# Altium PCB fpga.PcbDoc (part 4 of 11)
Units mm, origin at the board's own origin, x right, y up, seen from the top; angles counter-clockwise.
Board outline 210 x 210 mm, 2 copper layers (Top Layer, Bottom Layer), stack 1.591 mm thick; 639 components, 1839 nets, 4759 pads, 4016 vias.
Unrouted connection lines stored in the file: 10.
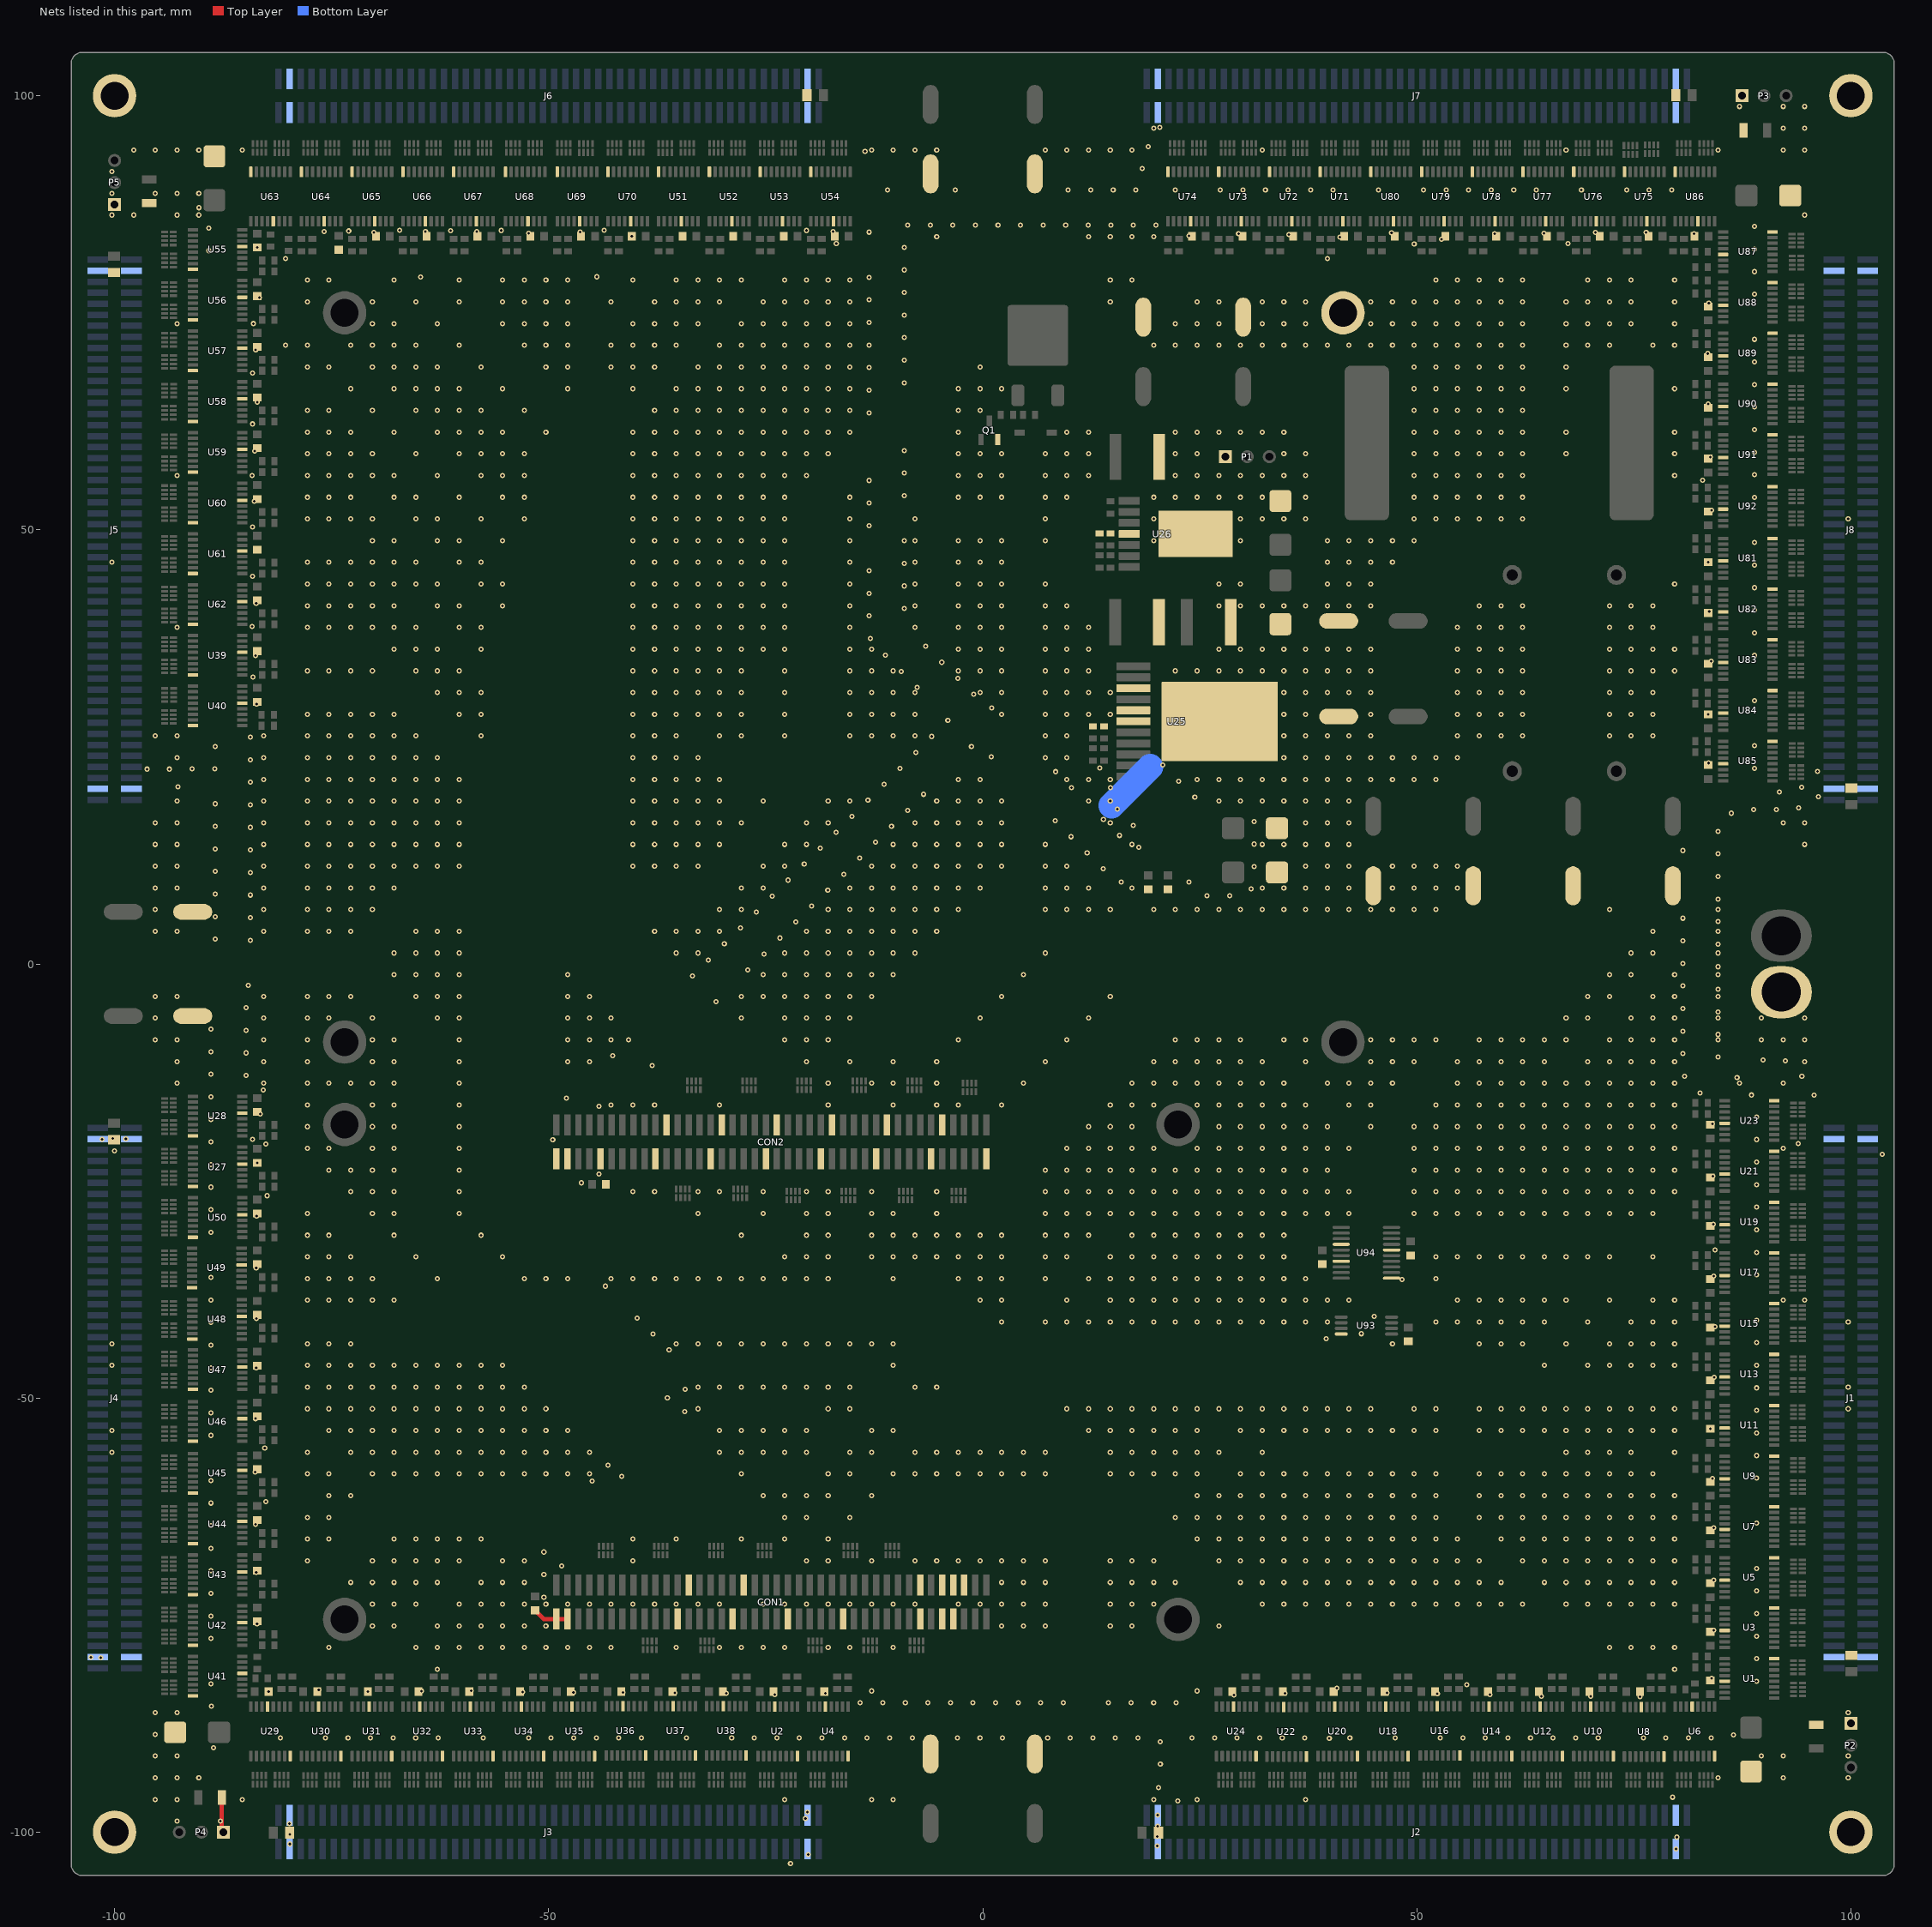
[diagram p4: the nets of this part, all layers, seen from the top]

## Via types
v1: diameter 0.6, hole 0.3, Top Layer to Bottom Layer, tented both sides, 3924 vias
v2: diameter 0.8, hole 0.4, Top Layer to Bottom Layer, tented both sides, 89 vias
v3: diameter 0.6, hole 0.3, Top Layer to Bottom Layer, 3 vias

## Nets (pads, with @x,y where several pads share a name; then routed paths per layer and width w, separated by ;. In a path a pad name is that pad's centre, name@x,y a point inside that pad or via, vN(x,y) a via of type N, cw(c..) or ccw(c..) an arc to the next point about the centre after c; other vN are vias at no path point) (continued)
GND: C1.1 C2.1 C3.1 C4.1 C5.1 C6.1 C7.1 C8.1 C9.1 C10.1 C11.1 C12.1 C13.1 C14.1 C15.1 C16.1 C17.1 C18.1 C19.1 C20.1 C21.1 C22.1 C23.1 C24.1 C25.1 C26.1 C27.1 C28.1 C29.1 C30.1 C31.1 C32.1 C33.1 C34.1 C35.1 C36.1 C37.1 C38.1 C39.1 C40.1 C41.1 C42.1 C43.1 C44.1 C45.1 C46.1 C47.1 C48.1 C49.1 C50.1 C51.1 C52.1 C53.1 C54.1 C55.1 C56.1 C57.1 C58.1 C59.1 C60.1 C61.1 C62.1 C63.1 C64.1 C65.1 C66.1 C67.1 C68.1 C69.1 C70.1 C71.1 C72.1 C73.1 C74.1 C75.1 C76.1 C77.1 C78.1 C79.1 C80.1 C81.1 C82.1 C83.1 C84.1 C85.1 C86.1 C87.1 C88.1 C89.1 C90.1 C91.1 C92.1 C93.1 C94.1 C95.1 C96.1 C97.1 C98.1 C99.1 C100.1 C101.1 C102.1 C103.1 C104.1 C105.1 C106.1 C107.1 C108.1 C109.1 C110.1 C111.1 C112.1 C113.1 C114.1 C115.1 C116.1 C117.1 C118.1 C119.1 C120.1 C122.1 C125.1 C126.1 C129.1 C131.2 C132.1 C133.1 C134.1 C135.1 C137.2 C138.2 C139.2 CON1.2 CON1.4 CON1.24 CON1.25 CON1.34 CON1.35 CON1.44 CON1.54 CON1.67 CON1.68 CON2.2 CON2.4 CON2.10 CON2.20 CON2.21 CON2.30 CON2.31 CON2.40 CON2.41 CON2.50 CON2.51 CON2.60 CON2.61 CON2.70 CON2.71 CON2.80 J1.3 J1.4 J1.97 J1.98 J2.3 J2.4 J2.97 J2.98 J3.3 J3.4 J3.97 J3.98 J4.3 J4.4 J4.97 J4.98 J5.3 J5.4 J5.97 J5.98 J6.3 J6.4 J6.97 J6.98 J7.3 J7.4 J7.97 J7.98 J8.3 J8.4 J8.97 J8.98 P1.1 P2.1 P3.1 P4.1 P5.1 pad.4 pad.7 pad.11 Q1.2 R366.1 R370.1 U1.8 U1.13 U2.8 U2.13 U3.8 U3.13 U4.8 U4.13 U5.8 U5.13 U6.8 U6.13 U7.8 U7.13 U8.8 U8.13 U9.8 U9.13 U10.8 U10.13 U11.8 U11.13 U12.8 U12.13 U13.8 U13.13 U14.8 U14.13 U15.8 U15.13 U16.8 U16.13 U17.8 U17.13 U18.8 U18.13 U19.8 U19.13 U20.8 U20.13 U21.8 U21.13 U22.8 U22.13 U23.8 U23.13 U24.8 U24.13 U25.3 U25.5 U25.6 U25.12 U26.4 U26.8 U27.8 U27.13 U28.8 U28.13 U29.8 U29.13 U30.8 U30.13 U31.8 U31.13 U32.8 U32.13 U33.8 U33.13 U34.8 U34.13 U35.8 U35.13 U36.8 U36.13 U37.8 U37.13 U38.8 U38.13 U39.8 U39.13 U40.8 U40.13 U41.8 U41.13 U42.8 U42.13 U43.8 U43.13 U44.8 U44.13 U45.8 U45.13 U46.8 U46.13 U47.8 U47.13 U48.8 U48.13 U49.8 U49.13 U50.8 U50.13 U51.8 U51.13 U52.8 U52.13 U53.8 U53.13 U54.8 U54.13 U55.8 U55.13 U56.8 U56.13 U57.8 U57.13 U58.8 U58.13 U59.8 U59.13 U60.8 U60.13 U61.8 U61.13 U62.8 U62.13 U63.8 U63.13 U64.8 U64.13 U65.8 U65.13 U66.8 U66.13 U67.8 U67.13 U68.8 U68.13 U69.8 U69.13 U70.8 U70.13 U71.8 U71.13 U72.8 U72.13 U73.8 U73.13 U74.8 U74.13 U75.8 U75.13 U76.8 U76.13 U77.8 U77.13 U78.8 U78.13 U79.8 U79.13 U80.8 U80.13 U81.8 U81.13 U82.8 U82.13 U83.8 U83.13 U84.8 U84.13 U85.8 U85.13 U86.8 U86.13 U87.8 U87.13 U88.8 U88.13 U89.8 U89.13 U90.8 U90.13 U91.8 U91.13 U92.8 U92.13 U93.4 U94.4 U94.7 U94.11 U94.16 | length 14.5
  Top Layer w0.5: C138.2@-87.65,-96 -87.65,-99.81 P4.1@-87.46,-100 ; C83.1@-51.562,-74.46 -50.572,-75.45 CON1.2@-49.115,-75.45 CON1.4@-47.845,-75.45
  Bottom Layer w3: 14.834,18.263 19.279,22.708
  other v1: -22.149,-103.632 -20.117,-102.565 79.845,-101.95 20.117,-101.6 -79.807,-101.371 79.959,-100.584 20.091,-100.508 -79.807,-100.254 20.142,-99.339 -79.858,-99.035 -92.806,-98.742 -87.806,-98.742 -20.422,-98.45 20.155,-98.05 -20.193,-97.688 22.454,-96.395 -95.306,-96.242 -92.806,-96.242 -85.306,-96.242 -22.806,-96.242 -12.806,-96.242 -10.306,-96.242 19.694,-96.242 24.694,-96.242 37.194,-96.242 79.477,-95.987 20.269,-94.869 -95.306,-93.742 -92.806,-93.742 -90.306,-93.742 84.694,-93.742 92.194,-93.742 99.694,-93.742 20.469,-92.183 -95.306,-91.242 -92.806,-91.242 89.694,-91.242 92.194,-91.242 99.694,-91.242 -88.594,-90.267 20.443,-89.583 39.929,-89.179 -80.918,-89.139 -75.718,-89.139 -73.118,-89.139 -70.518,-89.139 -67.918,-89.139 -65.318,-89.139 -62.718,-89.139 -57.518,-89.139 -52.318,-89.139 -49.718,-89.139 -47.118,-89.139 -44.518,-89.139 -41.918,-89.139 -39.318,-89.139 -34.118,-89.139 -28.918,-89.139 -26.318,-89.139 -23.718,-89.139 -21.118,-89.139 -18.518,-89.139 -15.918,-89.139 -13.318,-89.139 -10.718,-89.139 -8.118,-89.139 -2.918,-89.139 -0.318,-89.139 2.282,-89.139 7.482,-89.139 10.082,-89.139 12.682,-89.139 15.282,-89.139 17.882,-89.139 24.099,-89.139 26.699,-89.139 29.299,-89.139 31.899,-89.139 34.499,-89.139 37.099,-89.139 42.299,-89.139 47.499,-89.139 52.699,-89.139 55.299,-89.139 57.899,-89.139 60.499,-89.139 63.099,-89.139 65.699,-89.139 68.299,-89.139 70.899,-89.139 76.099,-89.139 78.699,-89.139 81.299,-89.139 83.899,-89.139 86.475,-88.785 -95.306,-88.742 -95.306,-86.242 -92.806,-86.242 99.694,-86.242 -88.872,-85.506 -14.116,-85.105 -11.516,-85.105 -8.916,-85.105 -6.316,-85.105 -3.716,-85.105 -1.116,-85.105 1.484,-85.105 4.084,-85.105 6.684,-85.105 9.284,-85.105 14.484,-85.105 17.084,-85.105 19.684,-85.105 22.284,-85.105 75.717,-84.404 64.338,-84.353 70.028,-84.353 28.931,-84.226 -23.952,-84.15 58.42,-84.15 52.375,-84.049 -18.136,-84.023 34.798,-84.023 -29.515,-83.998 46.558,-83.972 -35.458,-83.947 -41.427,-83.922 -47.142,-83.896 -52.984,-83.845 -82.258,-83.82 -70.828,-83.82 -64.668,-83.744 -12.806,-83.742 24.694,-83.742 -58.928,-83.718 -76.479,-83.617 40.792,-83.414 55.763,-83.005 -88.885,-82.906 89.139,-82.624 83.972,-82.271 -62.806,-81.242 79.694,-81.242 89.139,-80.024 -101.575,-79.908 -102.743,-79.858 -75.306,-78.742 -65.306,-78.742 -62.806,-78.742 -60.306,-78.742 -57.806,-78.742 -55.306,-78.742 -52.806,-78.742 -50.306,-78.742 -47.806,-78.742 -45.306,-78.742 -42.806,-78.742 -35.306,-78.742 -30.306,-78.742 -27.806,-78.742 -25.306,-78.742 -22.806,-78.742 -17.806,-78.742 -15.306,-78.742 -10.306,-78.742 72.194,-78.742 74.694,-78.742 77.194,-78.742 79.694,-78.742 -88.885,-77.706 89.139,-77.424 84.226,-76.759 -70.306,-76.242 -67.806,-76.242 -62.806,-76.242 -60.306,-76.242 -57.806,-76.242 -55.306,-76.242 -52.806,-76.242 -50.306,-76.242 2.194,-76.242 4.694,-76.242 7.194,-76.242 14.694,-76.242 17.194,-76.242 27.194,-76.242 -83.591,-76.022 -88.885,-75.106 89.139,-74.824 -70.306,-73.742 -67.806,-73.742 -65.306,-73.742 -60.306,-73.742 -57.806,-73.742 -55.306,-73.742 -52.806,-73.742 -50.306,-73.742 -47.806,-73.742 -45.306,-73.742 -42.806,-73.742 -40.306,-73.742 -37.806,-73.742 -35.306,-73.742 -32.806,-73.742 -30.306,-73.742 -25.306,-73.742 -22.806,-73.742 -20.306,-73.742 -17.806,-73.742 -15.306,-73.742 -12.806,-73.742 -10.306,-73.742 -7.806,-73.742 -2.806,-73.742 -0.306,-73.742 2.194,-73.742 4.694,-73.742 7.194,-73.742 14.694,-73.742 17.194,-73.742 19.694,-73.742 32.194,-73.742 34.694,-73.742 37.194,-73.742 39.694,-73.742 42.194,-73.742 44.694,-73.742 47.194,-73.742 49.694,-73.742 52.194,-73.742 54.694,-73.742 57.194,-73.742 59.694,-73.742 62.194,-73.742 67.194,-73.742 69.694,-73.742 72.194,-73.742 74.694,-73.742 77.194,-73.742 79.694,-73.742 -50.552,-72.938 -88.885,-72.506 89.139,-72.224 -72.806,-71.242 -70.306,-71.242 -67.806,-71.242 -65.306,-71.242 -62.806,-71.242 -57.806,-71.242 -55.306,-71.242 -52.806,-71.242 2.194,-71.242 4.694,-71.242 7.194,-71.242 14.694,-71.242 17.194,-71.242 19.694,-71.242 22.194,-71.242 29.694,-71.242 32.194,-71.242 34.694,-71.242 37.194,-71.242 39.694,-71.242 42.194,-71.242 44.694,-71.242 47.194,-71.242 49.694,-71.242 52.194,-71.242 54.694,-71.242 57.194,-71.242 59.694,-71.242 64.694,-71.242 67.194,-71.242 69.694,-71.242 72.194,-71.242 74.694,-71.242 77.194,-71.242 79.694,-71.242 84.201,-70.968 -50.55,-70.338 -83.693,-70.079 -88.885,-69.906 89.139,-69.624 -48.51,-69.325 -77.806,-68.742 -70.306,-68.742 -67.806,-68.742 -65.306,-68.742 -62.806,-68.742 -60.306,-68.742 -55.306,-68.742 -52.806,-68.742 -40.306,-68.742 -20.306,-68.742 -17.806,-68.742 -12.806,-68.742 -7.806,-68.742 -5.306,-68.742 -2.806,-68.742 -0.306,-68.742 2.194,-68.742 4.694,-68.742 7.194,-68.742 14.694,-68.742 17.194,-68.742 19.694,-68.742 27.194,-68.742 29.694,-68.742 32.194,-68.742 34.694,-68.742 37.194,-68.742 39.694,-68.742 42.194,-68.742 44.694,-68.742 47.194,-68.742 49.694,-68.742 52.194,-68.742 54.694,-68.742 57.194,-68.742 62.194,-68.742 64.694,-68.742 67.194,-68.742 69.694,-68.742 72.194,-68.742 74.694,-68.742 77.194,-68.742 79.694,-68.742 -50.55,-67.738 -88.885,-67.306 -77.806,-66.242 -75.306,-66.242 -67.806,-66.242 -65.306,-66.242 -62.806,-66.242 -60.306,-66.242 -57.806,-66.242 -40.306,-66.242 -35.306,-66.242 -27.806,-66.242 -22.806,-66.242 -17.806,-66.242 24.694,-66.242 27.194,-66.242 29.694,-66.242 32.194,-66.242 34.694,-66.242 37.194,-66.242 39.694,-66.242 42.194,-66.242 44.694,-66.242 47.194,-66.242 49.694,-66.242 52.194,-66.242 54.694,-66.242 59.694,-66.242 62.194,-66.242 64.694,-66.242 67.194,-66.242 69.694,-66.242 72.194,-66.242 74.694,-66.242 77.194,-66.242 79.694,-66.242 84.226,-64.948 -88.885,-64.706 -83.769,-64.541 89.139,-64.424 -77.806,-63.742 -75.306,-63.742 -22.806,-63.742 -20.306,-63.742 -15.306,-63.742 22.194,-63.742 24.694,-63.742 27.194,-63.742 29.694,-63.742 32.194,-63.742 34.694,-63.742 37.194,-63.742 39.694,-63.742 42.194,-63.742 44.694,-63.742 47.194,-63.742 49.694,-63.742 52.194,-63.742 57.194,-63.742 59.694,-63.742 62.194,-63.742 64.694,-63.742 67.194,-63.742 69.694,-63.742 72.194,-63.742 74.694,-63.742 77.194,-63.742 79.694,-63.742 -88.885,-62.106 -82.575,-61.951 -75.306,-61.242 -72.806,-61.242 -25.306,-61.242 -22.806,-61.242 -20.306,-61.242 -17.806,-61.242 -12.806,-61.242 24.694,-61.242 27.194,-61.242 29.694,-61.242 32.194,-61.242 34.694,-61.242 37.194,-61.242 39.694,-61.242 42.194,-61.242 44.694,-61.242 47.194,-61.242 49.694,-61.242 52.194,-61.242 57.194,-61.242 59.694,-61.242 62.194,-61.242 64.694,-61.242 67.194,-61.242 69.694,-61.242 72.194,-61.242 74.694,-61.242 77.194,-61.242 79.694,-61.242 -45.006,-59.566 -88.885,-59.506 84.074,-59.284 89.139,-59.224 -41.582,-59.026 -77.806,-58.742 -75.306,-58.742 -70.306,-58.742 -67.806,-58.742 -65.306,-58.742 -62.806,-58.742 -60.306,-58.742 -57.806,-58.742 -55.306,-58.742 -52.806,-58.742 -50.306,-58.742 -47.806,-58.742 -45.306,-58.742 -27.806,-58.742 -17.806,-58.742 -15.306,-58.742 -10.306,-58.742 -7.806,-58.742 -5.306,-58.742 -2.806,-58.742 -0.306,-58.742 2.194,-58.742 4.694,-58.742 7.194,-58.742 14.694,-58.742 17.194,-58.742 19.694,-58.742 22.194,-58.742 24.694,-58.742 29.694,-58.742 32.194,-58.742 34.694,-58.742 37.194,-58.742 39.694,-58.742 42.194,-58.742 44.694,-58.742 47.194,-58.742 49.694,-58.742 52.194,-58.742 57.194,-58.742 59.694,-58.742 62.194,-58.742 64.694,-58.742 67.194,-58.742 69.694,-58.742 72.194,-58.742 74.694,-58.742 77.194,-58.742 -83.795,-58.547 -43.167,-57.727 89.139,-56.624 -100.306,-56.242 -77.806,-56.242 -72.806,-56.242 -70.306,-56.242 -67.806,-56.242 -65.306,-56.242 -62.806,-56.242 -60.306,-56.242 -57.806,-56.242 -55.306,-56.242 -52.806,-56.242 -50.306,-56.242 -47.806,-56.242 -45.306,-56.242 -30.306,-56.242 -27.806,-56.242 -25.306,-56.242 -22.806,-56.242 -20.306,-56.242 -15.306,-56.242 -12.806,-56.242 -7.806,-56.242 -5.306,-56.242 -2.806,-56.242 -0.306,-56.242 2.194,-56.242 4.694,-56.242 7.194,-56.242 14.694,-56.242 17.194,-56.242 19.694,-56.242 22.194,-56.242 24.694,-56.242 27.194,-56.242 32.194,-56.242 67.194,-56.242 69.694,-56.242 72.194,-56.242 74.694,-56.242 79.694,-56.242 -82.702,-55.778 -88.885,-54.306 89.139,-54.024 -100.306,-53.742 -75.306,-53.742 -72.806,-53.742 -70.306,-53.742 -67.806,-53.742 -65.306,-53.742 -62.806,-53.742 -60.306,-53.742 -57.806,-53.742 -55.306,-53.742 -52.806,-53.742 -50.306,-53.742 -47.806,-53.742 -30.306,-53.742 -27.806,-53.742 -25.306,-53.742 -22.806,-53.742 -20.306,-53.742 -12.806,-53.742 -10.306,-53.742 12.194,-53.742 14.694,-53.742 17.194,-53.742 19.694,-53.742 22.194,-53.742 24.694,-53.742 29.694,-53.742 32.194,-53.742 34.694,-53.742 37.194,-53.742 39.694,-53.742 42.194,-53.742 44.694,-53.742 47.194,-53.742 49.694,-53.742 52.194,-53.742 57.194,-53.742 59.694,-53.742 62.194,-53.742 64.694,-53.742 67.194,-53.742 69.694,-53.742 72.194,-53.742 74.694,-53.742 77.194,-53.742 79.694,-53.742 83.82,-53.556 -83.769,-52.375 -88.885,-51.706 -34.33,-51.576 89.139,-51.424 -77.806,-51.242 -75.306,-51.242 -72.806,-51.242 -70.306,-51.242 -67.806,-51.242 -65.306,-51.242 -62.806,-51.242 -60.306,-51.242 -57.806,-51.242 -55.306,-51.242 -52.806,-51.242 -50.306,-51.242 -32.806,-51.242 -17.806,-51.242 -15.306,-51.242 9.694,-51.242 12.194,-51.242 14.694,-51.242 17.194,-51.242 19.694,-51.242 22.194,-51.242 24.694,-51.242 27.194,-51.242 29.694,-51.242 32.194,-51.242 34.694,-51.242 37.194,-51.242 39.694,-51.242 42.194,-51.242 44.694,-51.242 49.694,-51.242 52.194,-51.242 57.194,-51.242 59.694,-51.242 62.194,-51.242 64.694,-51.242 67.194,-51.242 69.694,-51.242 72.194,-51.242 74.694,-51.242 77.194,-51.242 79.694,-51.242 99.694,-51.242 -36.326,-49.976 -88.885,-49.106 -34.286,-48.977 89.139,-48.824 -77.806,-48.742 -75.306,-48.742 -72.806,-48.742 -70.306,-48.742 -67.806,-48.742 -65.306,-48.742 -62.806,-48.742 -60.306,-48.742 -57.806,-48.742 -55.306,-48.742 -52.806,-48.742 -32.806,-48.742 -30.306,-48.742 -27.806,-48.742 -25.306,-48.742 -22.806,-48.742 -20.306,-48.742 -17.806,-48.742 -15.306,-48.742 -7.806,-48.742 -5.306,-48.742 99.694,-48.742 84.277,-47.6 -83.693,-46.533 -88.885,-46.506 -100.306,-46.242 -77.806,-46.242 -75.306,-46.242 -72.806,-46.242 -70.306,-46.242 -67.806,-46.242 -65.306,-46.242 -62.806,-46.242 -60.306,-46.242 -57.806,-46.242 -55.306,-46.242 -10.306,-46.242 64.694,-46.242 69.694,-46.242 72.194,-46.242 74.694,-46.242 77.194,-46.242 79.694,-46.242 89.139,-46.224 -36.129,-44.471 -88.885,-43.906 -100.306,-43.742 -77.806,-43.742 -75.306,-43.742 -72.806,-43.742 -35.306,-43.742 -32.806,-43.742 -30.306,-43.742 -27.806,-43.742 -25.306,-43.742 -22.806,-43.742 -20.306,-43.742 -17.806,-43.742 -15.306,-43.742 -12.806,-43.742 -10.306,-43.742 47.194,-43.742 57.194,-43.742 59.694,-43.742 62.194,-43.742 67.194,-43.742 72.194,-43.742 74.694,-43.742 77.194,-43.742 79.694,-43.742 89.139,-43.624 39.573,-43.18 -37.967,-42.633 43.612,-42.596 84.353,-41.783 -88.885,-41.306 2.194,-41.242 7.194,-41.242 9.694,-41.242 12.194,-41.242 14.694,-41.242 17.194,-41.242 19.694,-41.242 22.194,-41.242 24.694,-41.242 27.194,-41.242 29.694,-41.242 32.194,-41.242 34.694,-41.242 37.194,-41.242 39.694,-41.242 52.194,-41.242 54.694,-41.242 57.194,-41.242 59.694,-41.242 62.194,-41.242 64.694,-41.242 69.694,-41.242 74.694,-41.242 77.194,-41.242 79.694,-41.242 99.694,-41.242 89.139,-41.024 -83.668,-40.843 -39.806,-40.794 45.11,-40.615 -77.806,-38.742 -75.306,-38.742 -72.806,-38.742 -70.306,-38.742 -67.806,-38.742 -0.306,-38.742 2.194,-38.742 9.694,-38.742 14.694,-38.742 17.194,-38.742 19.694,-38.742 22.194,-38.742 24.694,-38.742 27.194,-38.742 29.694,-38.742 32.194,-38.742 34.694,-38.742 37.194,-38.742 39.694,-38.742 42.194,-38.742 54.694,-38.742 57.194,-38.742 59.694,-38.742 62.194,-38.742 64.694,-38.742 67.194,-38.742 72.194,-38.742 77.194,-38.742 79.694,-38.742 92.194,-38.742 94.694,-38.742 -88.885,-38.706 -43.483,-37.117 48.311,-36.347 48.311,-36.347 -77.806,-36.242 -75.306,-36.242 -72.806,-36.242 -70.306,-36.242 -62.806,-36.242 -52.806,-36.242 -50.306,-36.242 -47.806,-36.242 -42.806,-36.242 -40.306,-36.242 -37.806,-36.242 -35.306,-36.242 -32.806,-36.242 -30.306,-36.242 -27.806,-36.242 -25.306,-36.242 -22.806,-36.242 -20.306,-36.242 -17.806,-36.242 -10.306,-36.242 -2.806,-36.242 -0.306,-36.242 2.194,-36.242 7.194,-36.242 12.194,-36.242 14.694,-36.242 17.194,-36.242 19.694,-36.242 22.194,-36.242 24.694,-36.242 27.194,-36.242 29.694,-36.242 32.194,-36.242 34.694,-36.242 37.194,-36.242 52.194,-36.242 -88.885,-36.106 84.201,-35.941 89.139,-35.824 -83.693,-35.001 -77.806,-33.742 -75.306,-33.742 -72.806,-33.742 -65.306,-33.742 -55.306,-33.742 -22.806,-33.742 -20.306,-33.742 -17.806,-33.742 -12.806,-33.742 -10.306,-33.742 -7.806,-33.742 -5.306,-33.742 -2.806,-33.742 -0.306,-33.742 2.194,-33.742 7.194,-33.742 9.694,-33.742 14.694,-33.742 17.194,-33.742 19.694,-33.742 22.194,-33.742 24.694,-33.742 27.194,-33.742 29.694,-33.742 32.194,-33.742 34.694,-33.742 52.194,-33.742 54.694,-33.742 57.194,-33.742 59.694,-33.742 62.194,-33.742 64.694,-33.742 67.194,-33.742 69.694,-33.742 72.194,-33.742 77.194,-33.742 89.139,-33.224 84.353,-32.944 -77.806,-31.242 -75.306,-31.242 -67.806,-31.242 -57.806,-31.242 -27.806,-31.242 -20.306,-31.242 -17.806,-31.242 -12.806,-31.242 -10.306,-31.242 -7.806,-31.242 -5.306,-31.242 -2.806,-31.242 -0.306,-31.242 2.194,-31.242 7.194,-31.242 9.694,-31.242 12.194,-31.242 17.194,-31.242 19.694,-31.242 22.194,-31.242 24.694,-31.242 27.194,-31.242 29.694,-31.242 32.194,-31.242 34.694,-31.242 -88.885,-30.906 89.139,-30.624 84.176,-29.997 -83.642,-29.032 -77.806,-28.742 -70.306,-28.742 -67.806,-28.742 -60.306,-28.742 -32.806,-28.742 -25.306,-28.742 -20.306,-28.742 -17.806,-28.742 -12.806,-28.742 -10.306,-28.742 -5.306,-28.742 7.194,-28.742 9.694,-28.742 12.194,-28.742 14.694,-28.742 17.194,-28.742 19.694,-28.742 22.194,-28.742 24.694,-28.742 27.194,-28.742 29.694,-28.742 32.194,-28.742 34.694,-28.742 37.194,-28.742 39.694,-28.742 42.194,-28.742 49.694,-28.742 52.194,-28.742 54.694,-28.742 57.194,-28.742 59.694,-28.742 62.194,-28.742 64.694,-28.742 67.194,-28.742 69.694,-28.742 72.194,-28.742 74.694,-28.742 77.194,-28.742 -88.885,-28.306 89.139,-28.024 -82.423,-26.695 -72.806,-26.242 -70.306,-26.242 -67.806,-26.242 -60.306,-26.242 -40.306,-26.242 -37.806,-26.242 -32.806,-26.242 -30.306,-26.242 -25.306,-26.242 -20.306,-26.242 -17.806,-26.242 -12.806,-26.242 -5.306,-26.242 7.194,-26.242 9.694,-26.242 12.194,-26.242 14.694,-26.242 17.194,-26.242 19.694,-26.242 22.194,-26.242 24.694,-26.242 27.194,-26.242 29.694,-26.242 32.194,-26.242 34.694,-26.242 37.194,-26.242 39.694,-26.242 42.194,-26.242 49.694,-26.242 52.194,-26.242 54.694,-26.242 57.194,-26.242 59.694,-26.242 62.194,-26.242 64.694,-26.242 67.194,-26.242 69.694,-26.242 72.194,-26.242 74.694,-26.242 77.194,-26.242 79.694,-26.242 -88.885,-25.706 89.139,-25.424 -46.232,-25.212 84.125,-24.435 -44.192,-24.216 -75.306,-23.742 -72.806,-23.742 -70.306,-23.742 -67.806,-23.742 -60.306,-23.742 7.194,-23.742 9.694,-23.742 12.194,-23.742 14.694,-23.742 17.194,-23.742 19.694,-23.742 22.194,-23.742 24.694,-23.742 27.194,-23.742 29.694,-23.742 32.194,-23.742 34.694,-23.742 37.194,-23.742 39.694,-23.742 49.694,-23.742 52.194,-23.742 54.694,-23.742 57.194,-23.742 59.694,-23.742 62.194,-23.742 64.694,-23.742 67.194,-23.742 69.694,-23.742 72.194,-23.742 74.694,-23.742 77.194,-23.742 79.694,-23.742 -88.885,-23.106 -83.566,-22.898 89.139,-22.824 103.634,-21.926 -100,-21.514 -77.806,-21.242 -75.306,-21.242 -70.306,-21.242 -67.806,-21.242 -60.306,-21.242 9.694,-21.242 12.194,-21.242 14.694,-21.242 17.194,-21.242 19.694,-21.242 24.694,-21.242 27.194,-21.242 29.694,-21.242 32.194,-21.242 34.694,-21.242 37.194,-21.242 39.694,-21.242 42.194,-21.242 49.694,-21.242 52.194,-21.242 54.694,-21.242 57.194,-21.242 59.694,-21.242 62.194,-21.242 64.694,-21.242 67.194,-21.242 69.694,-21.242 72.194,-21.242 74.694,-21.242 77.194,-21.242 79.694,-21.242 92.194,-21.242 -82.576,-20.747 93.926,-20.713 -88.885,-20.506 -49.516,-20.254 -84.125,-20.218 89.139,-20.224 -101.448,-20.193 -98.704,-20.142 -100.203,-20.091 -77.806,-18.742 -70.306,-18.742 -67.806,-18.742 -60.306,-18.742 12.194,-18.742 14.694,-18.742 17.194,-18.742 27.194,-18.742 29.694,-18.742 32.194,-18.742 34.694,-18.742 37.194,-18.742 39.694,-18.742 44.694,-18.742 49.694,-18.742 52.194,-18.742 54.694,-18.742 57.194,-18.742 59.694,-18.742 62.194,-18.742 64.694,-18.742 67.194,-18.742 69.694,-18.742 72.194,-18.742 74.694,-18.742 77.194,-18.742 79.694,-18.742 84.074,-18.44 -88.885,-17.906 89.139,-17.624 -83.236,-17.297 -44.192,-16.416 -77.806,-16.242 -70.306,-16.242 -67.806,-16.242 -60.306,-16.242 -42.806,-16.242 -40.306,-16.242 -37.806,-16.242 -30.306,-16.242 -17.806,-16.242 -10.306,-16.242 -5.306,-16.242 -2.806,-16.242 2.194,-16.242 14.694,-16.242 17.194,-16.242 19.694,-16.242 24.694,-16.242 27.194,-16.242 29.694,-16.242 32.194,-16.242 34.694,-16.242 37.194,-16.242 42.194,-16.242 44.694,-16.242 52.194,-16.242 54.694,-16.242 57.194,-16.242 59.694,-16.242 62.194,-16.242 64.694,-16.242 67.194,-16.242 69.694,-16.242 72.194,-16.242 74.694,-16.242 77.194,-16.242 79.694,-16.242 -47.97,-15.479 -88.885,-15.306 95.762,-15.124 88.553,-15.091 82.612,-14.852 -82.873,-14.535 -92.806,-13.742 -82.806,-13.742 -77.806,-13.742 -75.306,-13.742 -72.806,-13.742 -70.306,-13.742 -67.806,-13.742 -60.306,-13.742 -17.806,-13.742 -12.806,-13.742 -10.306,-13.742 -5.306,-13.742 4.694,-13.742 17.194,-13.742 19.694,-13.742 22.194,-13.742 24.694,-13.742 27.194,-13.742 29.694,-13.742 32.194,-13.742 34.694,-13.742 39.694,-13.742 42.194,-13.742 44.694,-13.742 47.194,-13.742 54.694,-13.742 57.194,-13.742 59.694,-13.742 62.194,-13.742 64.694,-13.742 67.194,-13.742 69.694,-13.742 72.194,-13.742 74.694,-13.742 77.194,-13.742 79.694,-13.742 87.194,-13.742 92.194,-13.742 86.9,-13.085 80.861,-12.93 94.361,-12.934 -84.851,-12.847 -88.885,-12.706 -38.076,-11.718 -92.806,-11.242 -82.806,-11.242 -77.806,-11.242 -70.306,-11.242 -67.806,-11.242 -60.306,-11.242 -47.806,-11.242 -45.306,-11.242 -20.306,-11.242 -15.306,-11.242 -10.306,-11.242 -5.306,-11.242 7.194,-11.242 19.694,-11.242 22.194,-11.242 24.694,-11.242 27.194,-11.242 29.694,-11.242 32.194,-11.242 37.194,-11.242 44.694,-11.242 47.194,-11.242 49.694,-11.242 54.694,-11.242 57.194,-11.242 59.694,-11.242 62.194,-11.242 64.694,-11.242 69.694,-11.242 72.194,-11.242 74.694,-11.242 77.194,-11.242 79.694,-11.242 94.694,-11.242 92.472,-11.147 89.874,-11.045 84.694,-10.723 -42.63,-10.568 80.66,-10.338 -84.851,-10.247 -88.885,-10.106 -95.306,-8.742 -92.806,-8.742 -82.806,-8.742 -77.806,-8.742 -70.306,-8.742 -67.806,-8.742 -60.306,-8.742 -47.806,-8.742 -45.306,-8.742 -42.806,-8.742 -40.792,-8.729 -22.806,-8.742 -20.306,-8.742 -17.806,-8.742 -2.806,-8.742 9.694,-8.742 22.194,-8.742 24.694,-8.742 27.194,-8.742 29.694,-8.742 34.694,-8.742 37.194,-8.742 44.694,-8.742 47.194,-8.742 49.694,-8.742 52.194,-8.742 57.194,-8.742 59.694,-8.742 62.194,-8.742 64.694,-8.742 67.194,-8.742 72.194,-8.742 74.694,-8.742 77.194,-8.742 79.694,-8.742 84.694,-8.742 89.694,-8.742 92.194,-8.742 94.694,-8.742 84.694,-8.123 80.66,-7.738 -84.851,-7.647 -88.885,-7.506 -95.306,-6.242 -82.806,-6.242 -77.806,-6.242 -75.306,-6.242 -70.306,-6.242 -62.806,-6.242 -60.306,-6.242 -47.806,-6.242 -45.306,-6.242 -42.806,-6.242 -27.806,-6.242 -22.806,-6.242 -20.306,-6.242 -17.806,-6.242 -15.306,-6.242 -0.306,-6.242 12.194,-6.242 67.194,-6.242 69.694,-6.242 74.694,-6.242 77.194,-6.242 79.694,-6.242 84.694,-6.242 89.694,-6.242 94.694,-6.242 84.694,-5.523 80.66,-5.138 -84.851,-5.047 -30.722,-4.365 -95.306,-3.742 -92.806,-3.742 -82.806,-3.742 -77.806,-3.742 -75.306,-3.742 -72.806,-3.742 -65.306,-3.742 -62.806,-3.742 -60.306,-3.742 -47.806,-3.742 -45.306,-3.742 -27.806,-3.742 -25.306,-3.742 -22.806,-3.742 -20.306,-3.742 -17.806,-3.742 -15.306,-3.742 -12.806,-3.742 2.194,-3.742 14.694,-3.742 69.694,-3.742 72.194,-3.742 77.194,-3.742 79.694,-3.742 84.694,-3.742 84.694,-2.923 80.66,-2.538 -84.597,-2.459 -33.438,-1.375 -67.806,-1.242 -65.306,-1.242 -62.806,-1.242 -60.306,-1.242 -47.806,-1.242 -25.306,-1.242 -22.806,-1.242 -20.306,-1.242 -17.806,-1.242 -15.306,-1.242 -12.806,-1.242 -10.306,-1.242 4.694,-1.242 72.194,-1.242 74.694,-1.242 79.694,-1.242 84.694,-1.242 -27.045,-0.688 84.694,-0.323 80.66,0.062 -31.599,0.463 -25.207,1.151 -67.806,1.258 -65.306,1.258 -62.806,1.258 -60.306,1.258 -35.306,1.258 -32.806,1.258 -22.806,1.258 -20.306,1.258 -17.806,1.258 -15.306,1.258 -12.806,1.258 -10.306,1.258 -7.806,1.258 7.194,1.258 74.694,1.258 77.194,1.258 84.694,1.258 -29.761,2.302 84.694,2.277 80.66,2.662 -84.361,2.73 -88.395,2.848 -23.368,2.989 -95.306,3.758 -92.806,3.758 -82.806,3.758 -77.806,3.758 -75.306,3.758 -72.806,3.758 -65.306,3.758 -62.806,3.758 -60.306,3.758 -37.806,3.758 -35.306,3.758 -32.806,3.758 -30.306,3.758 -20.306,3.758 -17.806,3.758 -15.306,3.758 -12.806,3.758 -10.306,3.758 -7.806,3.758 -5.306,3.758 77.194,3.758 84.694,3.758 -27.923,4.14 -21.53,4.828 84.694,4.877 80.66,5.262 -84.361,5.33 -88.395,5.448 -26.084,5.978 -95.306,6.258 -82.806,6.258 -77.806,6.258 -75.306,6.258 -72.806,6.258 -70.306,6.258 -30.306,6.258 -27.806,6.258 -17.806,6.258 -15.306,6.258 -12.806,6.258 -10.306,6.258 -7.806,6.258 -5.306,6.258 -2.806,6.258 7.194,6.258 9.694,6.258 12.194,6.258 14.694,6.258 19.694,6.258 22.194,6.258 24.694,6.258 27.194,6.258 29.694,6.258 32.194,6.258 34.694,6.258 37.194,6.258 39.694,6.258 42.194,6.258 44.694,6.258 47.194,6.258 49.694,6.258 52.194,6.258 72.194,6.258 84.694,6.258 -19.691,6.666 84.694,7.477 -24.246,7.817 25.846,7.872 28.446,7.872 -84.361,7.93 -88.395,8.048 -17.853,8.505 30.935,8.624 -95.306,8.758 -92.806,8.758 -82.806,8.758 -77.806,8.758 -75.306,8.758 -72.806,8.758 -70.306,8.758 -67.806,8.758 -27.806,8.758 -25.306,8.758 -15.306,8.758 -12.806,8.758 -10.306,8.758 -7.806,8.758 -5.306,8.758 -2.806,8.758 -0.306,8.758 7.194,8.758 9.694,8.758 12.194,8.758 17.194,8.758 32.194,8.758 34.694,8.758 37.194,8.758 39.694,8.758 42.194,8.758 47.194,8.758 49.694,8.758 52.194,8.758 54.694,8.758 23.751,9.413 15.965,9.439 -22.407,9.655 84.694,10.077 -16.014,10.343 -84.361,10.53 -88.395,10.648 13.863,10.97 31.244,11.205 -95.306,11.258 -92.806,11.258 -82.806,11.258 -77.806,11.258 -75.306,11.258 -72.806,11.258 -70.306,11.258 -67.806,11.258 -65.306,11.258 -62.806,11.258 -60.306,11.258 -40.306,11.258 -37.806,11.258 -35.306,11.258 -32.806,11.258 -25.306,11.258 -22.806,11.258 -12.806,11.258 -10.306,11.258 -7.806,11.258 -5.306,11.258 -2.806,11.258 -0.306,11.258 2.194,11.258 7.194,11.258 9.694,11.258 37.194,11.258 39.694,11.258 42.194,11.258 47.194,11.258 49.694,11.258 52.194,11.258 54.694,11.258 -20.569,11.494 -14.176,12.182 84.694,12.677 12.025,12.809 80.66,13.062 -84.361,13.13 -88.395,13.248 -18.73,13.332 17.966,13.447 -95.306,13.758 -92.806,13.758 -82.806,13.758 -77.806,13.758 -75.306,13.758 -72.806,13.758 -70.306,13.758 -67.806,13.758 -65.306,13.758 -62.806,13.758 -60.306,13.758 -40.306,13.758 -37.806,13.758 -35.306,13.758 -32.806,13.758 -30.306,13.758 -22.806,13.758 -20.306,13.758 -10.306,13.758 -7.806,13.758 -5.306,13.758 -2.806,13.758 -0.306,13.758 2.194,13.758 7.194,13.758 17.194,13.758 32.194,13.758 34.694,13.758 37.194,13.758 39.694,13.758 42.194,13.758 94.694,13.758 31.244,13.805 -12.337,14.02 10.186,14.647 15.743,14.795 -16.892,15.171 84.694,15.277 -84.361,15.73 -88.395,15.848 -10.499,15.859 17.344,15.971 -95.306,16.258 -92.806,16.258 -82.806,16.258 -77.806,16.258 -75.306,16.258 -72.806,16.258 -70.306,16.258 -67.806,16.258 -65.306,16.258 -62.806,16.258 -60.306,16.258 -40.306,16.258 -37.806,16.258 -35.306,16.258 -32.806,16.258 -30.306,16.258 -27.806,16.258 -20.306,16.258 -17.806,16.258 -7.806,16.258 -5.306,16.258 -2.806,16.258 -0.306,16.258 2.194,16.258 14.694,16.258 37.194,16.258 39.694,16.258 42.194,16.258 92.194,16.258 94.694,16.258 31.244,16.405 8.348,16.485 13.905,16.634 -15.053,17.009 86.252,17.359 -8.66,17.697 88.816,17.786 91.416,17.776 15.505,17.81 94.009,17.974 -84.361,18.33 -88.395,18.448 -92.806,18.758 -82.806,18.758 -77.806,18.758 -75.306,18.758 -72.806,18.758 -70.306,18.758 -67.806,18.758 -65.306,18.758 -62.806,18.758 -60.306,18.758 -40.306,18.758 -37.806,18.758 -35.306,18.758 -32.806,18.758 -30.306,18.758 -25.306,18.758 -17.806,18.758 -15.306,18.758 -5.306,18.758 -2.806,18.758 -0.306,18.758 2.194,18.758 12.194,18.758 14.694,18.758 27.194,18.758 29.694,18.758 32.194,18.758 34.694,18.758 37.194,18.758 39.694,18.758 42.194,18.758 -13.215,18.848 24.425,19.222 96.259,19.277 -6.822,19.536 91.778,19.816 14.73,20.292 10.228,20.311 94.323,20.349 -92.691,20.405 -11.376,20.686 -84.361,20.93 22.587,21.06 -82.806,21.258 -77.806,21.258 -75.306,21.258 -72.806,21.258 -70.306,21.258 -67.806,21.258 -65.306,21.258 -62.806,21.258 -60.306,21.258 -40.306,21.258 -37.806,21.258 -35.306,21.258 -32.806,21.258 -30.306,21.258 -2.806,21.258 -0.306,21.258 9.694,21.258 12.194,21.258 14.694,21.258 24.694,21.258 27.194,21.258 29.694,21.258 32.194,21.258 34.694,21.258 37.194,21.258 39.694,21.258 42.194,21.258 44.694,21.258 47.194,21.258 49.694,21.258 52.194,21.258 8.389,22.149 96.163,22.185 -96.278,22.445 -93.678,22.445 -91.078,22.457 -88.478,22.457 -9.538,22.525 88.885,22.539 13.489,22.576 20.748,22.899 83.617,23.139 -84.361,23.53 -92.806,23.758 -82.806,23.758 -77.806,23.758 -75.306,23.758 -72.806,23.758 -70.306,23.758 -67.806,23.758 -65.306,23.758 -62.806,23.758 -40.306,23.758 -37.806,23.758 -35.306,23.758 -32.806,23.758 7.194,23.758 9.694,23.758 34.694,23.758 37.194,23.758 39.694,23.758 42.194,23.758 44.694,23.758 47.194,23.758 49.694,23.758 52.194,23.758 54.694,23.758 0.994,23.839 -7.699,24.363 -88.395,25.056 -1.306,25.051 88.885,25.139 -84.361,26.13 -5.861,26.202 -95.306,26.258 -92.806,26.258 -82.806,26.258 -77.806,26.258 -75.306,26.258 -72.806,26.258 -70.306,26.258 -67.806,26.258 -65.306,26.258 -57.806,26.258 -40.306,26.258 -37.806,26.258 -35.306,26.258 -30.306,26.258 -27.806,26.258 -22.806,26.258 -15.306,26.258 -12.806,26.258 -10.306,26.258 -7.806,26.258 7.194,26.258 9.694,26.258 34.694,26.258 37.194,26.258 39.694,26.258 42.194,26.258 44.694,26.258 54.694,26.258 57.194,26.258 59.694,26.258 62.194,26.258 72.194,26.258 74.694,26.258 77.194,26.258 -4.022,28.04 83.566,28.74 -77.806,28.758 -75.306,28.758 -72.806,28.758 -70.306,28.758 -67.806,28.758 -60.306,28.758 -57.806,28.758 -40.306,28.758 -37.806,28.758 -35.306,28.758 -32.806,28.758 -30.306,28.758 -27.806,28.758 -22.806,28.758 -15.306,28.758 -12.806,28.758 -10.306,28.758 -7.806,28.758 2.194,28.758 7.194,28.758 9.694,28.758 12.194,28.758 14.694,28.758 34.694,28.758 37.194,28.758 44.694,28.758 54.694,28.758 57.194,28.758 59.694,28.758 62.194,28.758 72.194,28.758 74.694,28.758 77.194,28.758 1.035,29.503 -83.642,29.921 88.885,30.339 -1.04,31.07 -62.806,31.258 -60.306,31.258 -57.806,31.258 -40.306,31.258 -37.806,31.258 -35.306,31.258 -32.806,31.258 -30.306,31.258 -27.806,31.258 -22.806,31.258 -15.306,31.258 -12.806,31.258 -10.306,31.258 -7.806,31.258 -0.306,31.258 2.194,31.258 7.194,31.258 9.694,31.258 12.194,31.258 14.694,31.258 34.694,31.258 37.194,31.258 39.694,31.258 42.194,31.258 44.694,31.258 54.694,31.258 57.194,31.258 59.694,31.258 62.194,31.258 72.194,31.258 74.694,31.258 77.194,31.258 -7.539,31.865 -2.878,32.909 -84.049,33.045 -9.378,33.703 -77.806,33.758 -75.306,33.758 -72.806,33.758 -70.306,33.758 -65.306,33.758 -62.806,33.758 -60.306,33.758 -40.306,33.758 -37.806,33.758 -35.306,33.758 -32.806,33.758 -30.306,33.758 -27.806,33.758 -22.806,33.758 -15.306,33.758 -12.806,33.758 -10.306,33.758 -2.806,33.758 -0.306,33.758 2.194,33.758 7.194,33.758 9.694,33.758 12.194,33.758 22.194,33.758 24.694,33.758 27.194,33.758 29.694,33.758 32.194,33.758 34.694,33.758 37.194,33.758 39.694,33.758 42.194,33.758 44.694,33.758 54.694,33.758 57.194,33.758 59.694,33.758 62.194,33.758 72.194,33.758 74.694,33.758 77.194,33.758 79.694,33.758 -4.717,34.747 83.896,34.849 -83.769,35.509 -11.216,35.541 88.885,35.539 -67.806,36.258 -65.306,36.258 -62.806,36.258 -57.806,36.258 -40.306,36.258 -37.806,36.258 -35.306,36.258 -32.806,36.258 -30.306,36.258 -27.806,36.258 -25.306,36.258 -22.806,36.258 -15.306,36.258 -12.806,36.258 -2.806,36.258 -0.306,36.258 2.194,36.258 7.194,36.258 9.694,36.258 12.194,36.258 27.194,36.258 29.694,36.258 32.194,36.258 34.694,36.258 37.194,36.258 39.694,36.258 42.194,36.258 44.694,36.258 54.694,36.258 57.194,36.258 59.694,36.258 62.194,36.258 72.194,36.258 74.694,36.258 77.194,36.258 79.694,36.258 -6.555,36.586 -12.936,37.492 88.885,38.139 -92.806,38.758 -77.806,38.758 -75.306,38.758 -72.806,38.758 -70.306,38.758 -67.806,38.758 -65.306,38.758 -60.306,38.758 -57.806,38.758 -40.306,38.758 -37.806,38.758 -35.306,38.758 -32.806,38.758 -30.306,38.758 -27.806,38.758 -25.306,38.758 -22.806,38.758 -15.306,38.758 -7.806,38.758 -2.806,38.758 -0.306,38.758 2.194,38.758 7.194,38.758 9.694,38.758 12.194,38.758 54.694,38.758 57.194,38.758 59.694,38.758 62.194,38.758 72.194,38.758 74.694,38.758 77.194,38.758 -84.176,38.862 -13.091,40.087 83.693,40.615 88.885,40.739 -9.057,40.938 -77.806,41.258 -75.306,41.258 -72.806,41.258 -70.306,41.258 -67.806,41.258 -62.806,41.258 -60.306,41.258 -55.306,41.258 -40.306,41.258 -37.806,41.258 -35.306,41.258 -32.806,41.258 -30.306,41.258 -27.806,41.258 -25.306,41.258 -22.806,41.258 -15.306,41.258 -7.806,41.258 -2.806,41.258 -0.306,41.258 2.194,41.258 7.194,41.258 9.694,41.258 27.194,41.258 29.694,41.258 32.194,41.258 34.694,41.258 37.194,41.258 39.694,41.258 42.194,41.258 44.694,41.258 57.194,41.258 59.694,41.258 62.194,41.258 72.194,41.258 74.694,41.258 77.194,41.258 -83.693,41.554 -13.091,42.687 88.885,43.339 -9.057,43.538 -77.806,43.758 -75.306,43.758 -72.806,43.758 -70.306,43.758 -67.806,43.758 -65.306,43.758 -62.806,43.758 -57.806,43.758 -55.306,43.758 -40.306,43.758 -37.806,43.758 -35.306,43.758 -32.806,43.758 -30.306,43.758 -27.806,43.758 -25.306,43.758 -22.806,43.758 -15.306,43.758 -7.806,43.758 -2.806,43.758 -0.306,43.758 2.194,43.758 7.194,43.758 27.194,43.758 29.694,43.758 39.694,43.758 42.194,43.758 44.694,43.758 79.694,43.758 -84.125,44.653 -13.091,45.287 88.885,45.939 -9.057,46.138 -100.306,46.258 -77.806,46.258 -75.306,46.258 -72.806,46.258 -70.306,46.258 -67.806,46.258 -65.306,46.258 -60.306,46.258 -57.806,46.258 -40.306,46.258 -37.806,46.258 -35.306,46.258 -32.806,46.258 -30.306,46.258 -27.806,46.258 -25.306,46.258 -22.806,46.258 -15.306,46.258 -7.806,46.258 -2.806,46.258 -0.306,46.258 2.194,46.258 39.694,46.258 42.194,46.258 44.694,46.258 47.194,46.258 83.566,46.266 88.885,48.539 -70.306,48.758 -67.806,48.758 -62.806,48.758 -60.306,48.758 -55.306,48.758 -40.306,48.758 -37.806,48.758 -35.306,48.758 -32.806,48.758 -30.306,48.758 -27.806,48.758 -25.306,48.758 -22.806,48.758 -15.306,48.758 -9.057,48.738 -7.806,48.758 -2.806,48.758 -0.306,48.758 2.194,48.758 7.194,48.758 19.694,48.758 29.694,48.758 39.694,48.758 42.194,48.758 44.694,48.758 47.194,48.758 49.694,48.758 -84.125,50.343 -13.091,50.487 -77.806,51.258 -75.306,51.258 -72.806,51.258 -70.306,51.258 -65.306,51.258 -62.806,51.258 -57.806,51.258 -52.806,51.258 -40.306,51.258 -37.806,51.258 -35.306,51.258 -32.806,51.258 -30.306,51.258 -27.806,51.258 -25.306,51.258 -22.806,51.258 -15.306,51.258 -7.806,51.258 7.194,51.258 19.694,51.258 29.694,51.258 32.194,51.258 34.694,51.258 37.194,51.258 49.694,51.258 52.194,51.258 54.694,51.258 57.194,51.258 59.694,51.258 62.194,51.258 99.694,51.258 83.947,52.273 -13.091,53.087 -83.896,53.289 -77.806,53.758 -75.306,53.758 -72.806,53.758 -67.806,53.758 -65.306,53.758 -60.306,53.758 -55.306,53.758 -52.806,53.758 -40.306,53.758 -37.806,53.758 -35.306,53.758 -32.806,53.758 -30.306,53.758 -27.806,53.758 -25.306,53.758 -22.806,53.758 -15.306,53.758 -2.806,53.758 -0.306,53.758 2.194,53.758 7.194,53.758 9.694,53.758 19.694,53.758 22.194,53.758 24.694,53.758 27.194,53.758 29.694,53.758 32.194,53.758 37.194,53.758 49.694,53.758 52.194,53.758 54.694,53.758 57.194,53.758 59.694,53.758 62.194,53.758 88.885,53.739 -9.057,53.938 -13.091,55.687 82.906,55.702 -84.176,56.236 -92.806,56.258 -77.806,56.258 -75.306,56.258 -72.806,56.258 -70.306,56.258 -67.806,56.258 -62.806,56.258 -57.806,56.258 -55.306,56.258 -52.806,56.258 -40.306,56.258 -37.806,56.258 -35.306,56.258 -32.806,56.258 -30.306,56.258 -27.806,56.258 -25.306,56.258 -22.806,56.258 -20.306,56.258 -2.806,56.258 -0.306,56.258 2.194,56.258 7.194,56.258 9.694,56.258 12.194,56.258 22.194,56.258 24.694,56.258 27.194,56.258 29.694,56.258 32.194,56.258 34.694,56.258 37.194,56.258 49.694,56.258 52.194,56.258 54.694,56.258 57.194,56.258 59.694,56.258 62.194,56.258 79.694,56.258 88.885,56.339 -9.057,56.538 83.82,58.395 -77.806,58.758 -75.306,58.758 -72.806,58.758 -70.306,58.758 -65.306,58.758 -60.306,58.758 -57.806,58.758 -55.306,58.758 -52.806,58.758 -40.306,58.758 -37.806,58.758 -35.306,58.758 -32.806,58.758 -30.306,58.758 -27.806,58.758 -25.306,58.758 -22.806,58.758 -20.306,58.758 -17.806,58.758 -2.806,58.758 -0.306,58.758 2.194,58.758 7.194,58.758 9.694,58.758 12.194,58.758 22.194,58.758 24.694,58.758 34.694,58.758 37.194,58.758 49.694,58.758 52.194,58.758 54.694,58.758 57.194,58.758 59.694,58.758 62.194,58.758 67.194,58.758 79.694,58.758 88.885,58.939 -83.871,59.08 -9.057,59.138 -77.806,61.258 -75.306,61.258 -72.806,61.258 -67.806,61.258 -62.806,61.258 -60.306,61.258 -57.806,61.258 -55.306,61.258 -50.306,61.258 -40.306,61.258 -37.806,61.258 -35.306,61.258 -32.806,61.258 -30.306,61.258 -27.806,61.258 -25.306,61.258 -22.806,61.258 -20.306,61.258 -17.806,61.258 -15.306,61.258 -2.806,61.258 9.694,61.258 12.194,61.258 22.194,61.258 24.694,61.258 27.194,61.258 29.694,61.258 32.194,61.258 34.694,61.258 49.694,61.258 52.194,61.258 54.694,61.258 57.194,61.258 59.694,61.258 62.194,61.258 67.194,61.258 79.694,61.258 88.885,61.539 -84.125,62.205 -13.091,63.487 -77.806,63.758 -75.306,63.758 -70.306,63.758 -65.306,63.758 -62.806,63.758 -60.306,63.758 -57.806,63.758 -52.806,63.758 -37.806,63.758 -35.306,63.758 -32.806,63.758 -30.306,63.758 -27.806,63.758 -25.306,63.758 -22.806,63.758 -20.306,63.758 -17.806,63.758 -15.306,63.758 -2.806,63.758 -0.306,63.758 49.694,63.758 52.194,63.758 54.694,63.758 57.194,63.758 59.694,63.758 62.194,63.758 88.885,64.139 83.566,64.491 -83.566,64.694 -13.091,66.087 -72.806,66.258 -67.806,66.258 -65.306,66.258 -62.806,66.258 -60.306,66.258 -55.306,66.258 -47.806,66.258 -40.306,66.258 -35.306,66.258 -32.806,66.258 -30.306,66.258 -27.806,66.258 -25.306,66.258 -22.806,66.258 -20.306,66.258 -17.806,66.258 -15.306,66.258 -2.806,66.258 -0.306,66.258 2.194,66.258 49.694,66.258 52.194,66.258 54.694,66.258 57.194,66.258 59.694,66.258 62.194,66.258 67.194,66.258 79.694,66.258 88.885,66.739 -9.057,66.938 -84.125,68.047 -13.091,68.687 -77.806,68.758 -75.306,68.758 -70.306,68.758 -67.806,68.758 -65.306,68.758 -62.806,68.758 -57.806,68.758 -50.306,68.758 -47.806,68.758 -42.806,68.758 -40.306,68.758 -37.806,68.758 -32.806,68.758 -30.306,68.758 -27.806,68.758 -25.306,68.758 -22.806,68.758 -20.306,68.758 -17.806,68.758 -15.306,68.758 -0.306,68.758 49.694,68.758 52.194,68.758 54.694,68.758 57.194,68.758 59.694,68.758 62.194,68.758 67.194,68.758 88.885,69.339 -9.057,69.538 83.515,70.307 -83.744,70.739 -80.306,71.258 -77.806,71.258 -72.806,71.258 -70.306,71.258 -67.806,71.258 -65.306,71.258 -60.306,71.258 -52.806,71.258 -50.306,71.258 -47.806,71.258 -42.806,71.258 -40.306,71.258 -37.806,71.258 -35.306,71.258 -30.306,71.258 -27.806,71.258 -25.306,71.258 -22.806,71.258 -20.306,71.258 -17.806,71.258 -15.306,71.258 19.694,71.258 22.194,71.258 24.694,71.258 27.194,71.258 29.694,71.258 32.194,71.258 34.694,71.258 37.194,71.258 39.694,71.258 42.194,71.258 44.694,71.258 47.194,71.258 49.694,71.258 52.194,71.258 54.694,71.258 57.194,71.258 59.694,71.258 62.194,71.258 67.194,71.258 69.694,71.258 72.194,71.258 77.194,71.258 79.694,71.258 -13.091,71.287 88.885,71.939 -9.057,72.138 -92.806,73.758 -83.998,73.762 -70.306,73.758 -67.806,73.758 -62.806,73.758 -55.306,73.758 -52.806,73.758 -50.306,73.758 -47.806,73.758 -40.306,73.758 -37.806,73.758 -35.306,73.758 -32.806,73.758 -27.806,73.758 -25.306,73.758 -22.806,73.758 -20.306,73.758 -17.806,73.758 -15.306,73.758 22.194,73.758 24.694,73.758 27.194,73.758 32.194,73.758 34.694,73.758 37.194,73.758 44.694,73.758 47.194,73.758 49.694,73.758 52.194,73.758 54.694,73.758 57.194,73.758 59.694,73.758 62.194,73.758 67.194,73.758 69.694,73.758 72.194,73.758 74.694,73.758 79.694,73.758 -13.091,73.887 -9.057,74.738 83.642,76.098 -77.806,76.258 -70.306,76.258 -65.306,76.258 -60.306,76.258 -55.306,76.258 -52.806,76.258 -50.306,76.258 -47.806,76.258 -42.806,76.258 -37.806,76.258 -35.306,76.258 -32.806,76.258 -30.306,76.258 -25.306,76.258 -22.806,76.258 -20.306,76.258 -17.806,76.258 -15.306,76.258 14.694,76.258 24.694,76.258 27.194,76.258 32.194,76.258 34.694,76.258 37.194,76.258 44.694,76.258 47.194,76.258 49.694,76.258 52.194,76.258 54.694,76.258 57.194,76.258 59.694,76.258 62.194,76.258 67.194,76.258 69.694,76.258 72.194,76.258 74.694,76.258 79.694,76.258 -13.091,76.487 -83.312,76.759 88.885,77.139 -9.057,77.338 -77.806,78.758 -75.306,78.758 -67.806,78.758 -60.306,78.758 -55.306,78.758 -52.806,78.758 -50.306,78.758 -47.806,78.758 -40.306,78.758 -35.306,78.758 -32.806,78.758 -30.306,78.758 -27.806,78.758 -22.806,78.758 -20.306,78.758 -17.806,78.758 -15.306,78.758 14.694,78.758 17.194,78.758 52.194,78.758 54.694,78.758 57.194,78.758 59.694,78.758 62.194,78.758 69.694,78.758 72.194,78.758 74.694,78.758 79.694,78.758 -13.091,79.087 -64.745,79.121 -44.45,79.146 88.885,79.739 -9.057,79.938 -80.306,81.258 39.694,81.258 -89.139,82.159 88.885,82.339 -83.566,82.512 -9.057,82.538 49.708,82.906 -16.866,82.956 67.404,82.97 52.832,83.49 41.123,83.718 -5.306,83.758 12.194,83.758 14.694,83.758 17.194,83.758 19.694,83.758 -40.424,83.82 23.749,83.845 35.255,84.023 29.464,84.099 58.953,84.125 81.94,84.125 -52.324,84.15 64.643,84.176 47.092,84.226 70.561,84.252 -70.129,84.277 -13.091,84.287 76.429,84.277 -46.38,84.303 -75.87,84.353 -58.268,84.353 -64.186,84.379 -17.247,84.379 -73.025,84.43 -61.29,84.455 -55.474,84.48 -20.32,84.48 -67.158,84.506 -43.612,84.506 -89.139,84.759 88.885,84.939 -8.645,85.105 -6.045,85.105 -3.445,85.105 -0.845,85.105 1.755,85.105 4.355,85.105 6.955,85.105 9.555,85.105 12.155,85.105 14.755,85.105 17.355,85.105 19.955,85.105 -100.306,86.258 -97.806,86.258 -92.806,86.258 -90.306,86.258 94.694,86.258 -90.267,87.102 -100.306,88.758 -95.306,88.758 -92.806,88.758 -90.306,88.758 -10.963,89.139 -3.163,89.139 9.837,89.139 12.437,89.139 15.037,89.139 17.637,89.139 22.17,89.139 27.37,89.139 29.97,89.139 32.57,89.139 35.17,89.139 37.77,89.139 40.37,89.139 45.57,89.139 50.77,89.139 53.37,89.139 55.97,89.139 58.57,89.139 61.17,89.139 63.77,89.139 68.97,89.139 74.17,89.139 76.77,89.139 79.37,89.139 -100.306,91.258 18.386,91.629 -13.557,93.606 -97.806,93.758 -95.306,93.758 -92.806,93.758 -90.306,93.758 -85.306,93.758 -12.806,93.758 -10.306,93.758 -7.806,93.758 -5.306,93.758 7.194,93.758 9.694,93.758 12.194,93.758 14.694,93.758 17.194,93.758 32.194,93.758 67.194,93.758 84.694,93.758 92.194,93.758 94.694,93.758 19.083,94.134 19.694,96.258 92.194,96.258 94.694,96.258 20.405,96.372 87.194,98.758 92.194,98.758 94.694,98.758
I2S_BCLK: CON1.73
I2S_Din: CON1.75
I2S_Dout: CON1.74
I2S_LRCLK: CON1.72
I2S_MCLK: CON1.71